# KiCad board DFTBoard.kicad_pcb (continued)
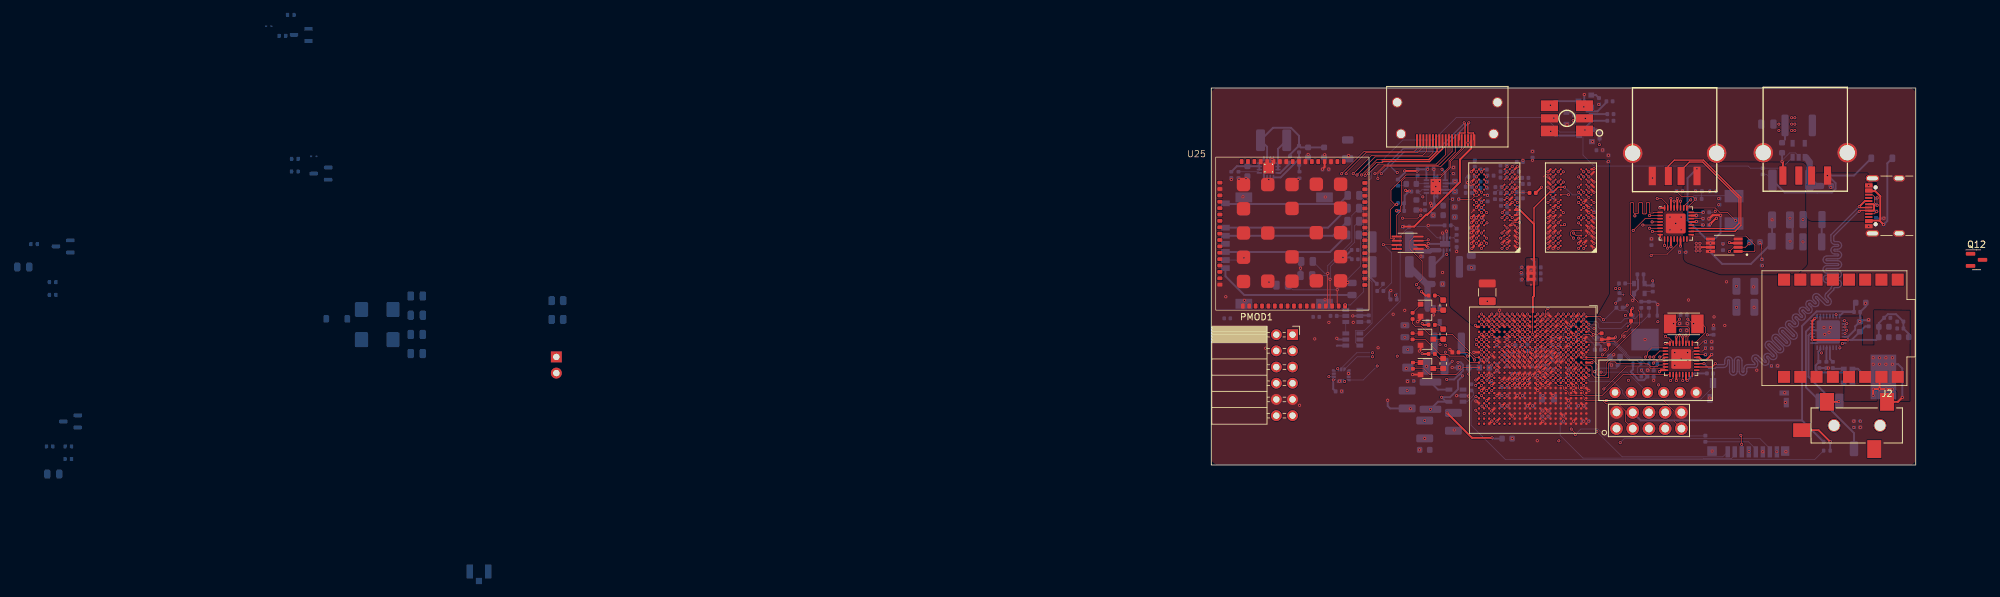
[diagram p0: board, top side]
## Routing (per net, layer and track width the routed paths; a pad name or vN(x,y) marks a point on that pad's centre or on a via; arc(x,y) is an arc through that point) (continued)
DDR3_DQ12: length 20.7
  TOP_GND w0.102: U16.A7 v1(54.31,33.97)
  TOP_GND w0.13: 51.51,23.27 v1(51.91,23.67)
  SIGNAL2 w0.102: v1(54.31,33.97) 54.56,33.97 54.86,34.27 55.16,34.27 55.21,34.32 55.21,34.57 55.06,34.72 54.84,34.72 54.5,34.38 54.12,34.38 53.91,34.17 53.91,33.57 52.49,32.15 52.49,28.2 52.49,28.16 52.5,28.11 52.53,28.08 52.56,28.04 52.6,28.02 52.64,28.01 52.69,28 53.01,28 53.05,27.99 53.1,27.98 53.13,27.96 53.17,27.92 53.19,27.89 53.2,27.84 53.21,27.8 53.2,27.76 53.19,27.71 53.17,27.68 53.13,27.64 53.1,27.62 53.05,27.61 53.01,27.6 52.3,27.6 52.26,27.6 52.22,27.58 52.18,27.56 52.15,27.53 52.13,27.49 52.12,27.45 52.11,27.41 52.11,27.39 52.12,27.35 52.13,27.31 52.15,27.27 52.18,27.24 52.22,27.22 52.26,27.2 52.3,27.2 53.01,27.2 53.05,27.19 53.1,27.18 53.13,27.16 53.17,27.12 53.19,27.09 53.2,27.04 53.21,27 53.2,26.96 53.19,26.91 53.17,26.88 53.13,26.84 53.1,26.82 53.05,26.81 53.01,26.8 52.3,26.8 52.26,26.8 52.22,26.78 52.18,26.76 52.15,26.73 52.13,26.69 52.12,26.65 52.11,26.61 52.11,26.59 52.12,26.55 52.13,26.51 52.15,26.47 52.18,26.44 52.22,26.42 52.26,26.4 52.3,26.4 52.67,26.4 52.71,26.4 52.75,26.38 52.79,26.36 52.82,26.33 52.84,26.29 52.85,26.25 52.86,26.21 52.86,26.19 52.85,26.15 52.84,26.11 52.82,26.07 52.79,26.04 52.75,26.02 52.71,26 52.67,26 52.3,26 52.26,26 52.22,25.98 52.18,25.96 52.15,25.93 52.13,25.89 52.12,25.85 52.11,25.81 52.11,25.79 52.12,25.75 52.13,25.71 52.15,25.67 52.18,25.64 52.22,25.62 52.26,25.6 52.3,25.6 52.49,25.6 52.49,25.59 52.67,25.59 52.71,25.58 52.75,25.57 52.79,25.55 52.82,25.52 52.84,25.48 52.85,25.44 52.86,25.4 52.86,25.37 52.85,25.33 52.84,25.29 52.82,25.26 52.79,25.23 52.75,25.21 52.71,25.19 52.63,25.18 52.59,25.17 52.56,25.15 52.53,25.12 52.5,25.08 52.49,25.04 52.49,25 52.15,24.66 52.15,24.29 51.91,24.05 v1(51.91,23.67)
DDR3_DQ13: length 20.5
  TOP_GND w0.102: U16.A2 v1(58.31,33.97)
  TOP_GND w0.13: U20.G2 v1(54.31,22.88)
  SIGNAL2 w0.102: v1(58.31,33.97) 57.96,33.97 57.91,33.92 57.91,33.58 55.81,31.48 55.81,28.41 55.81,28.37 55.82,28.34 55.84,28.32 55.86,28.3 55.89,28.28 55.92,28.27 55.95,28.26 55.99,28.26 56.02,28.26 56.05,28.25 56.08,28.23 56.1,28.21 56.12,28.19 56.13,28.16 56.13,28.12 56.13,28 56.13,27.97 56.12,27.94 56.1,27.92 56.08,27.9 56.05,27.88 56.02,27.87 55.99,27.86 55.95,27.86 55.92,27.86 55.89,27.85 55.86,27.83 55.84,27.81 55.82,27.79 55.81,27.76 55.81,27.72 55.81,27.6 55.81,27.57 55.82,27.54 55.84,27.52 55.86,27.5 55.89,27.48 55.92,27.47 55.95,27.46 55.99,27.46 56.02,27.46 56.05,27.45 56.08,27.43 56.1,27.41 56.12,27.39 56.13,27.36 56.13,27.32 56.13,27.2 56.13,27.17 56.12,27.14 56.1,27.12 56.08,27.1 56.05,27.08 56.02,27.07 55.99,27.06 55.95,27.06 55.92,27.06 55.89,27.05 55.86,27.03 55.84,27.01 55.82,26.99 55.81,26.96 55.81,26.92 55.81,26.72 54.71,25.62 54.71,21.89 54.48,21.67 54.12,21.67 53.91,21.46 53.91,21.09 53.71,20.88 53.32,20.88 53.12,21.09 53.12,21.46 53.32,21.67 53.68,21.67 53.9,21.89 53.9,22.25 54.31,22.66 v1(54.31,22.88)
DDR3_DQ14: length 19.5
  TOP_GND w0.102: U16.B8 v1(53.51,34.77)
  TOP_GND w0.13: 51.51,21.67 v1(51.91,22.07)
  SIGNAL2 w0.102: v1(53.51,34.77) 53.51,34.61 53.12,34.22 53.12,34.03 53.12,33.18 52.66,32.72 52.41,32.72 52.31,32.82 52.31,33.72 52.32,33.73 52.32,33.97 52.21,34.07 52.01,34.07 51.86,33.92 51.86,29.53 51.86,29.51 51.85,29.49 51.84,29.47 51.82,29.45 51.8,29.44 51.78,29.43 51.73,29.42 51.71,29.41 51.69,29.4 51.67,29.38 51.66,29.36 51.65,29.34 51.65,29.32 51.65,29.13 51.65,29.11 51.66,29.09 51.67,29.07 51.69,29.05 51.71,29.04 51.73,29.03 51.75,29.02 52.04,29.02 52.08,29.02 52.12,29.01 52.16,28.99 52.18,28.96 52.21,28.92 52.22,28.88 52.22,28.84 52.22,28.81 52.22,28.77 52.21,28.73 52.18,28.69 52.16,28.66 52.12,28.64 52.08,28.63 52.04,28.62 51.75,28.62 51.73,28.62 51.71,28.61 51.69,28.6 51.67,28.58 51.66,28.56 51.65,28.54 51.65,28.52 51.65,28.33 51.65,28.31 51.66,28.29 51.67,28.27 51.69,28.25 51.71,28.24 51.73,28.23 51.75,28.22 51.86,28.22 51.86,28.21 52.04,28.21 52.08,28.2 52.12,28.19 52.16,28.17 52.18,28.14 52.21,28.1 52.22,28.07 52.22,28.02 52.22,27.99 52.22,27.95 52.21,27.91 52.18,27.88 52.16,27.85 52.12,27.83 52.08,27.81 52,27.8 51.96,27.79 51.93,27.77 51.9,27.74 51.88,27.7 51.86,27.67 51.86,27.62 51.86,24.42 51.52,24.08 51.52,22.47 v1(51.91,22.07)
DDR3_DQ15: length 22.8
  TOP_GND w0.13: U16.A3 v1(57.51,33.97) ; 53.91,23.27 v1(54.31,23.67)
  SIGNAL2 w0.102: v1(57.51,33.97) 57.22,33.68 57.19,33.65 57.18,33.62 57.17,33.58 57.17,33.54 57.18,33.51 57.19,33.47 57.24,33.41 57.26,33.38 57.27,33.34 57.27,33.31 57.26,33.27 57.24,33.23 57.22,33.2 57.17,33.16 57.14,33.14 57.11,33.12 57.07,33.11 57.04,33.11 57,33.12 56.96,33.14 56.93,33.16 56.73,33.36 56.71,33.38 56.69,33.39 56.66,33.4 56.63,33.4 56.61,33.39 56.58,33.38 56.56,33.36 56.45,33.25 56.43,33.23 56.42,33.2 56.41,33.18 56.41,33.15 56.42,33.13 56.43,33.1 56.45,33.08 56.65,32.88 56.68,32.85 56.69,32.81 56.7,32.78 56.7,32.74 56.69,32.7 56.68,32.67 56.65,32.64 56.61,32.59 56.58,32.57 56.54,32.55 56.51,32.55 56.47,32.55 56.43,32.55 56.4,32.57 56.37,32.59 56.17,32.8 56.14,32.82 56.12,32.83 56.09,32.83 56.07,32.83 56.04,32.83 56.02,32.82 56,32.8 55.88,32.68 55.87,32.66 55.85,32.64 55.85,32.61 55.85,32.59 55.85,32.56 55.87,32.54 55.88,32.52 55.97,32.43 55.96,32.43 56.08,32.31 56.11,32.28 56.12,32.24 56.13,32.21 56.13,32.17 56.12,32.13 56.11,32.1 56.08,32.07 56.04,32.02 56.01,32 55.97,31.98 55.94,31.98 55.9,31.98 55.86,31.98 55.83,32 55.77,32.05 55.74,32.07 55.7,32.07 55.66,32.07 55.62,32.07 55.59,32.05 55.56,32.02 55.02,31.49 55.02,31.22 55.02,31.17 55,31.13 54.98,31.09 54.94,31.06 54.91,31.04 54.86,31.02 54.82,31.02 54.78,31.02 54.74,31.01 54.7,31 54.66,30.98 54.63,30.94 54.6,30.91 54.59,30.86 54.58,30.82 54.59,30.77 54.6,30.73 54.63,30.69 54.66,30.66 54.7,30.64 54.74,30.62 54.78,30.62 55.36,30.62 55.4,30.61 55.44,30.6 55.48,30.58 55.51,30.54 55.54,30.51 55.55,30.46 55.56,30.42 55.55,30.37 55.54,30.33 55.51,30.29 55.48,30.26 55.44,30.24 55.4,30.22 55.36,30.22 54.78,30.22 54.74,30.21 54.7,30.2 54.66,30.18 54.63,30.14 54.6,30.11 54.59,30.06 54.58,30.02 54.59,29.97 54.6,29.93 54.63,29.89 54.66,29.86 54.7,29.84 54.74,29.82 54.78,29.82 55.36,29.82 55.4,29.81 55.44,29.8 55.48,29.78 55.51,29.74 55.54,29.71 55.55,29.66 55.56,29.62 55.55,29.57 55.54,29.53 55.51,29.49 55.48,29.46 55.44,29.44 55.4,29.42 55.36,29.42 54.78,29.42 54.74,29.41 54.7,29.4 54.66,29.38 54.63,29.34 54.6,29.31 54.59,29.26 54.58,29.22 54.59,29.17 54.6,29.13 54.63,29.09 54.66,29.06 54.7,29.04 54.74,29.02 54.78,29.02 55.36,29.02 55.4,29.01 55.44,29 55.48,28.98 55.51,28.94 55.54,28.91 55.55,28.86 55.56,28.82 55.55,28.77 55.54,28.73 55.51,28.69 55.48,28.66 55.44,28.64 55.4,28.62 55.36,28.62 54.78,28.62 54.74,28.61 54.7,28.6 54.66,28.58 54.63,28.54 54.6,28.51 54.59,28.46 54.58,28.42 54.59,28.37 54.6,28.33 54.63,28.29 54.66,28.26 54.7,28.24 54.74,28.22 54.78,28.22 55.36,28.22 55.4,28.21 55.44,28.2 55.48,28.18 55.51,28.14 55.54,28.11 55.55,28.06 55.56,28.02 55.55,27.97 55.54,27.93 55.51,27.89 55.48,27.86 55.44,27.84 55.4,27.82 55.36,27.82 54.78,27.82 54.74,27.81 54.7,27.8 54.66,27.78 54.63,27.74 54.6,27.71 54.59,27.66 54.58,27.62 54.59,27.57 54.6,27.53 54.63,27.49 54.66,27.46 54.7,27.44 54.74,27.42 54.78,27.42 55.36,27.42 55.4,27.41 55.44,27.4 55.48,27.38 55.51,27.34 55.54,27.31 55.55,27.26 55.56,27.22 55.55,27.17 55.54,27.13 55.51,27.09 55.48,27.06 55.44,27.04 55.4,27.02 55.36,27.02 55.22,27.02 55.18,27.01 55.13,27 55.1,26.98 55.06,26.94 55.04,26.91 55.03,26.86 55.02,26.82 55.01,26.8 55.01,26.77 55.01,26.57 54.31,25.88 v1(54.31,23.67)
DDR3_DQ16: length 18.8
  TOP_GND w0.102: U15.E3 v1(46.31,37.17)
  TOP_GND w0.13: 46.71,21.67 v1(46.31,22.07)
  SIGNAL1 w0.102: v1(46.31,22.07) 46.71,22.47 46.71,23.97 46.96,24.22 46.96,24.32 46.96,24.36 46.97,24.39 46.99,24.41 47.01,24.43 47.04,24.45 47.07,24.46 47.1,24.46 47.12,24.46 47.15,24.47 47.18,24.48 47.21,24.5 47.23,24.52 47.24,24.54 47.25,24.57 47.26,24.6 47.26,24.72 47.25,24.76 47.24,24.79 47.23,24.81 47.21,24.83 47.18,24.85 47.15,24.86 47.12,24.86 46.75,24.86 46.72,24.87 46.69,24.88 46.66,24.9 46.64,24.92 46.63,24.94 46.62,24.97 46.61,25 46.61,25.12 46.62,25.16 46.63,25.19 46.64,25.21 46.66,25.23 46.69,25.25 46.72,25.26 46.75,25.26 47.12,25.26 47.15,25.27 47.18,25.28 47.21,25.3 47.23,25.32 47.24,25.34 47.25,25.37 47.26,25.41 47.26,25.52 47.25,25.56 47.24,25.59 47.23,25.61 47.21,25.63 47.18,25.65 47.15,25.66 47.12,25.66 46.75,25.66 46.72,25.67 46.69,25.68 46.66,25.7 46.64,25.72 46.63,25.74 46.62,25.77 46.61,25.8 46.61,25.92 46.62,25.96 46.63,25.99 46.64,26.01 46.66,26.03 46.69,26.05 46.72,26.06 46.75,26.06 46.82,26.06 46.85,26.07 46.88,26.08 46.91,26.1 46.93,26.12 46.95,26.14 46.96,26.17 46.96,26.2 46.96,33.52 47.02,33.58 47.02,36.46 v1(46.31,37.17)
DDR3_DQ17: length 19.5
  TOP_GND w0.102: U15.F7 v1(42.31,37.97)
  TOP_GND w0.13: 46.71,23.27 v1(46.31,23.67)
  SIGNAL1 w0.102: v1(42.31,37.97) 42.31,37.64 43.97,35.97 46.51,35.97 46.71,35.77 46.71,33.77 46.31,33.37 46.31,27.59 46.31,27.56 46.32,27.54 46.34,27.51 46.36,27.49 46.39,27.47 46.41,27.46 46.47,27.46 46.5,27.45 46.53,27.43 46.55,27.41 46.57,27.38 46.58,27.35 46.58,27.32 46.58,27.19 46.58,27.16 46.57,27.14 46.55,27.11 46.53,27.09 46.5,27.07 46.47,27.06 46.41,27.06 46.39,27.05 46.36,27.03 46.34,27.01 46.32,26.98 46.31,26.95 46.31,26.92 46.31,26.79 46.31,26.76 46.32,26.74 46.34,26.71 46.36,26.69 46.39,26.67 46.41,26.66 46.47,26.66 46.5,26.65 46.53,26.63 46.55,26.61 46.57,26.58 46.58,26.55 46.58,26.52 46.58,26.39 46.58,26.36 46.57,26.34 46.55,26.31 46.53,26.29 46.5,26.27 46.47,26.26 46.41,26.26 46.39,26.25 46.36,26.23 46.34,26.21 46.32,26.18 46.31,26.15 46.31,26.12 v1(46.31,23.67)
DDR3_DQ18: length 22
  TOP_GND w0.102: U15.F2 47.04,38.37 47.36,38.06 47.66,38.06 47.67,38.05 v1(48.24,38.05) ; 49.91,23.27 v1(49.51,23.67)
  SIGNAL2 w0.102: v1(49.51,23.67) 49.51,24.62 49.05,25.08 49.05,35.56 48.91,35.7 48.88,35.72 48.85,35.73 48.82,35.73 48.76,35.73 48.73,35.74 48.7,35.75 48.67,35.77 48.65,35.79 48.63,35.81 48.62,35.84 48.62,35.87 48.62,35.99 48.62,36.03 48.63,36.06 48.65,36.08 48.67,36.1 48.7,36.12 48.73,36.13 48.76,36.13 49.16,36.13 49.19,36.14 49.22,36.15 49.25,36.17 49.27,36.19 49.29,36.21 49.3,36.24 49.3,36.27 49.3,36.39 49.3,36.43 49.29,36.46 49.27,36.48 49.25,36.5 49.22,36.52 49.19,36.53 49.16,36.53 48.76,36.53 48.73,36.54 48.7,36.55 48.67,36.57 48.65,36.59 48.63,36.61 48.62,36.64 48.62,36.67 48.62,36.79 48.62,36.83 48.63,36.86 48.65,36.88 48.67,36.9 48.7,36.92 48.73,36.93 48.76,36.93 49.16,36.93 49.19,36.94 49.22,36.95 49.25,36.97 49.27,36.99 49.29,37.01 49.3,37.04 49.3,37.07 49.3,37.19 49.3,37.23 49.29,37.26 49.27,37.28 49.25,37.3 49.22,37.32 49.19,37.33 49.16,37.33 48.71,37.33 48.68,37.34 48.65,37.35 48.62,37.37 48.6,37.39 48.58,37.41 48.57,37.44 48.57,37.47 48.57,37.59 48.57,37.63 48.58,37.66 48.6,37.68 48.62,37.7 48.65,37.72 48.68,37.73 48.71,37.73 48.82,37.73 48.85,37.74 48.88,37.75 48.91,37.77 48.93,37.79 48.95,37.81 48.96,37.84 48.96,37.87 48.96,38.92 48.86,39.02 48.61,39.02 48.5,38.92 48.5,38.32 v1(48.24,38.05)
DDR3_DQ19: length 19
  TOP_GND w0.102: U15.F8 v1(41.51,37.97)
  TOP_GND w0.13: U20.T2 v1(46.31,22.88)
  SIGNAL2 w0.102: v1(41.51,37.97) 42.53,37.34 45.36,35.97 45.61,35.92 45.76,35.77 45.91,35.02 45.91,33.97 45.9,33.97 45.9,24.53 45.92,24.52 45.92,23.27 v1(46.31,22.88)
DDR3_DQ20: length 24.1
  TOP_GND w0.102: U15.H3 45.55,39.61
  TOP_GND w0.13: U20.M2 v1(49.51,22.88)
  SIGNAL2 w0.102: v1(49.51,22.88) 49.9,23.27 49.9,24.83 49.61,25.12 49.61,25.47 49.61,25.51 49.62,25.54 49.64,25.56 49.66,25.58 49.69,25.6 49.72,25.61 49.75,25.61 49.96,25.61 49.99,25.62 50.02,25.63 50.05,25.65 50.07,25.67 50.09,25.69 50.1,25.72 50.1,25.75 50.1,25.88 50.1,25.91 50.09,25.94 50.07,25.96 50.05,25.98 50.02,26 49.99,26.01 49.96,26.01 49.41,26.01 49.38,26.02 49.35,26.03 49.32,26.05 49.3,26.07 49.28,26.09 49.27,26.12 49.27,26.16 49.27,26.27 49.27,26.31 49.28,26.34 49.3,26.36 49.32,26.38 49.35,26.4 49.38,26.41 49.41,26.41 49.96,26.41 49.99,26.42 50.02,26.43 50.05,26.45 50.07,26.47 50.09,26.49 50.1,26.52 50.1,26.55 50.1,26.67 50.1,26.71 50.09,26.74 50.07,26.76 50.05,26.78 50.02,26.8 49.99,26.81 49.96,26.81 49.75,26.81 49.72,26.82 49.69,26.83 49.66,26.85 49.64,26.87 49.62,26.89 49.61,26.92 49.61,26.95 49.61,38.67 48.31,39.97 U15.H3 45.55,39.61 v1(45.55,39.57)
DDR3_DQ21: length 21.5
  TOP_GND w0.102: U15.H8 v1(42.31,39.57)
  TOP_GND w0.13: 47.51,23.27 v1(47.11,23.67)
  SIGNAL1 w0.102: v1(42.31,39.57) 42.71,39.17 42.71,37.84 42.97,37.58 43.35,37.58 43.39,37.62 46.46,37.62 47.51,36.57 47.51,36.14 47.52,36.13 47.52,24.08 v1(47.11,23.67)
DDR3_DQ22: length 23.6
  TOP_GND w0.102: v1(47.11,38.82) 46.76,39.17
  TOP_GND w0.13: 49.11,21.67 v1(48.71,22.07)
  SIGNAL2 w0.102: v1(47.11,38.82) 46.77,39.17 46.4,39.17 46.28,39.28 46.28,39.53 46.42,39.67 47.36,39.67 47.62,39.42 47.62,38.69 47.77,38.54 47.77,37.93 48.32,37.38 48.32,33.1 48.02,32.8 48.02,29.22 48.36,28.88 48.36,26.7 48.36,26.67 48.37,26.64 48.39,26.62 48.41,26.6 48.44,26.58 48.47,26.57 48.5,26.56 48.51,26.56 48.55,26.56 48.57,26.55 48.6,26.53 48.62,26.51 48.64,26.49 48.65,26.46 48.65,26.42 48.65,26.3 48.65,26.27 48.64,26.24 48.62,26.22 48.6,26.2 48.57,26.18 48.55,26.17 48.51,26.16 48.16,26.16 48.12,26.16 48.1,26.15 48.07,26.13 48.05,26.11 48.03,26.09 48.02,26.06 48.02,26.02 48.02,25.91 48.02,25.87 48.03,25.84 48.05,25.82 48.07,25.8 48.1,25.78 48.12,25.77 48.16,25.76 48.51,25.76 48.55,25.76 48.57,25.75 48.6,25.73 48.62,25.71 48.64,25.69 48.65,25.66 48.65,25.62 48.65,25.5 48.65,25.47 48.64,25.44 48.62,25.42 48.6,25.4 48.57,25.38 48.55,25.37 48.51,25.36 48.5,25.36 48.47,25.36 48.44,25.35 48.41,25.33 48.39,25.31 48.37,25.29 48.36,25.26 48.36,25.22 48.36,24.77 49.11,24.02 49.11,22.47 v1(48.71,22.07)
DDR3_DQ23: length 23
  TOP_GND w0.102: 42.72,39.97 v1(43.12,39.58)
  TOP_GND w0.13: 47.51,21.67 v1(47.11,22.07)
  SIGNAL2 w0.102: v1(47.11,22.07) 46.72,22.47 46.72,24.87 46.72,24.9 46.73,24.93 46.75,24.96 46.77,24.98 46.8,24.99 46.83,25 46.86,25.01 47.03,25.01 47.06,25.01 47.09,25.02 47.11,25.04 47.14,25.06 47.15,25.09 47.16,25.12 47.17,25.15 47.17,25.27 47.16,25.3 47.15,25.33 47.14,25.36 47.11,25.38 47.09,25.39 47.06,25.4 47.03,25.41 46.36,25.41 46.33,25.41 46.3,25.42 46.27,25.44 46.25,25.46 46.23,25.49 46.22,25.52 46.22,25.55 46.22,25.67 46.22,25.7 46.23,25.73 46.25,25.76 46.27,25.78 46.3,25.79 46.33,25.8 46.36,25.81 47.03,25.81 47.06,25.81 47.09,25.82 47.11,25.84 47.14,25.86 47.15,25.89 47.16,25.92 47.17,25.95 47.17,26.07 47.16,26.1 47.15,26.13 47.14,26.16 47.11,26.18 47.09,26.19 47.06,26.2 47.03,26.21 46.86,26.21 46.83,26.21 46.8,26.22 46.77,26.24 46.75,26.26 46.73,26.29 46.72,26.32 46.72,26.35 46.72,35.67 46.49,35.9 46.19,35.9 45.91,36.18 45.91,36.56 45.69,36.77 45.33,36.77 43.12,38.99 v1(43.12,39.58)
DDR3_DQ24: length 17.3
  TOP_GND w0.102: U15.D7 v1(42.31,36.37)
  TOP_GND w0.13: v1(42.31,22.08) 42.31,22.07 42.71,21.67
  SIGNAL4 w0.102: v1(42.31,22.08) 41.92,22.47 41.92,24.47 41.92,24.47 41.93,24.51 41.95,24.55 41.99,24.58 42.03,24.61 42.07,24.62 42.16,24.63 42.2,24.65 42.24,24.67 42.27,24.71 42.3,24.74 42.31,24.79 42.32,24.83 42.32,24.92 42.31,24.97 42.3,25.01 42.27,25.05 42.24,25.08 42.2,25.11 42.16,25.12 42.07,25.13 42.03,25.15 41.99,25.17 41.95,25.21 41.93,25.24 41.92,25.29 41.91,25.33 41.91,33.57 41.11,34.37 41.11,35.8 41.28,35.97 41.91,35.97 v1(42.31,36.37)
DDR3_DQ25: length 20.8
  TOP_GND w0.102: U15.C3 v1(45.31,35.57)
  TOP_GND w0.13: 43.51,23.27 v1(43.91,23.67)
  SIGNAL2 w0.102: v1(43.91,23.67) 43.49,24.1 43.49,24.12 42.6,25.01 42.6,27.94 42.71,28.05 42.71,29.27 42.71,29.31 42.72,29.34 42.74,29.36 42.76,29.38 42.79,29.4 42.82,29.41 42.85,29.41 43.06,29.41 43.1,29.42 43.12,29.43 43.15,29.45 43.17,29.47 43.19,29.49 43.2,29.52 43.2,29.55 43.2,29.67 43.2,29.71 43.19,29.74 43.17,29.76 43.15,29.78 43.12,29.8 43.1,29.81 43.06,29.81 42.36,29.81 42.32,29.82 42.3,29.83 42.27,29.85 42.25,29.87 42.23,29.89 42.22,29.92 42.22,29.95 42.22,30.07 42.22,30.11 42.23,30.14 42.25,30.16 42.27,30.18 42.3,30.2 42.32,30.21 42.36,30.21 43.06,30.21 43.1,30.22 43.12,30.23 43.15,30.25 43.17,30.27 43.19,30.29 43.2,30.32 43.2,30.35 43.2,30.47 43.2,30.51 43.19,30.54 43.17,30.56 43.15,30.58 43.12,30.6 43.1,30.61 43.06,30.61 42.36,30.61 42.32,30.62 42.3,30.63 42.27,30.65 42.25,30.67 42.23,30.69 42.22,30.72 42.22,30.75 42.22,30.88 42.22,30.91 42.23,30.94 42.25,30.96 42.27,30.98 42.3,31 42.32,31.01 42.36,31.01 43.06,31.01 43.1,31.02 43.12,31.03 43.15,31.05 43.17,31.07 43.19,31.09 43.2,31.12 43.2,31.16 43.2,31.27 43.2,31.31 43.19,31.34 43.17,31.36 43.15,31.38 43.12,31.4 43.1,31.41 43.06,31.41 42.36,31.41 42.32,31.42 42.3,31.43 42.27,31.45 42.25,31.47 42.23,31.49 42.22,31.52 42.22,31.55 42.22,31.67 42.22,31.71 42.23,31.74 42.25,31.76 42.27,31.78 42.3,31.8 42.32,31.81 42.36,31.81 43.06,31.81 43.1,31.82 43.12,31.83 43.15,31.85 43.17,31.87 43.19,31.89 43.2,31.92 43.2,31.95 43.2,32.07 43.2,32.11 43.19,32.14 43.17,32.16 43.15,32.18 43.12,32.2 43.1,32.21 43.06,32.21 42.85,32.21 42.82,32.22 42.79,32.23 42.76,32.25 42.74,32.27 42.72,32.29 42.71,32.32 42.71,32.35 42.71,32.97 v1(45.31,35.57)
DDR3_DQ26: length 16.8
  TOP_GND w0.102: U15.C8 v1(41.51,35.57)
  TOP_GND w0.13: 43.51,21.67 v1(43.11,22.07)
  SIGNAL2 w0.102: v1(43.11,22.07) 43.11,22.41 43.04,22.48 42.92,22.48 42.71,22.69 42.71,23.06 42.49,23.27 41.91,23.27 40.26,24.92 40.26,32.22 40.55,32.51 40.56,32.51 41.19,33.14 41.19,34.14 41.12,34.21 41.12,35.17 41.11,35.17 v1(41.51,35.57)
DDR3_DQ27: length 19.9
  TOP_GND w0.102: v1(46.3,35.51) 46.3,35.57 U15.C2
  TOP_GND w0.13: 44.31,23.27 v1(44.71,23.67)
  SIGNAL1 w0.102: v1(46.3,35.51) 45.97,35.17 45.21,35.17 44.71,34.67 44.71,32 44.71,31.97 44.72,31.94 44.74,31.92 44.76,31.9 44.79,31.88 44.82,31.87 44.85,31.86 45.05,31.86 45.08,31.86 45.11,31.85 45.14,31.83 45.16,31.81 45.18,31.79 45.19,31.76 45.19,31.72 45.19,31.6 45.19,31.57 45.18,31.54 45.16,31.52 45.14,31.5 45.11,31.48 45.08,31.47 45.05,31.46 44.37,31.46 44.34,31.46 44.31,31.45 44.28,31.43 44.26,31.41 44.24,31.39 44.23,31.36 44.23,31.32 44.23,31.2 44.23,31.17 44.24,31.14 44.26,31.12 44.28,31.1 44.31,31.08 44.34,31.07 44.37,31.06 45.05,31.06 45.08,31.06 45.11,31.05 45.14,31.03 45.16,31.01 45.18,30.99 45.19,30.96 45.19,30.92 45.19,30.8 45.19,30.77 45.18,30.74 45.16,30.72 45.14,30.7 45.11,30.68 45.08,30.67 45.05,30.66 44.37,30.66 44.34,30.66 44.31,30.65 44.28,30.63 44.26,30.61 44.24,30.59 44.23,30.56 44.23,30.52 44.23,30.41 44.23,30.37 44.24,30.34 44.26,30.32 44.28,30.3 44.31,30.28 44.34,30.27 44.37,30.26 45.05,30.26 45.08,30.26 45.11,30.25 45.14,30.23 45.16,30.21 45.18,30.19 45.19,30.16 45.19,30.12 45.19,30 45.19,29.97 45.18,29.94 45.16,29.92 45.14,29.9 45.11,29.88 45.08,29.87 45.05,29.86 44.37,29.86 44.34,29.86 44.31,29.85 44.28,29.83 44.26,29.81 44.24,29.79 44.23,29.76 44.23,29.72 44.23,29.6 44.23,29.57 44.24,29.54 44.26,29.52 44.28,29.5 44.31,29.48 44.34,29.47 44.37,29.46 45.05,29.46 45.08,29.46 45.11,29.45 45.14,29.43 45.16,29.41 45.18,29.39 45.19,29.36 45.19,29.32 45.19,29.2 45.19,29.17 45.18,29.14 45.16,29.12 45.14,29.1 45.11,29.08 45.08,29.07 45.05,29.06 44.85,29.06 44.82,29.06 44.79,29.05 44.76,29.03 44.74,29.01 44.72,28.99 44.71,28.96 44.71,28.92 v1(44.71,23.67)
DDR3_DQ28: length 21.4
  TOP_GND w0.102: U15.A7 v1(42.31,33.97)
  TOP_GND w0.13: 42.71,23.27 v1(42.31,23.67)
  SIGNAL2 w0.102: v1(42.31,23.67) 41.46,24.52 41.46,24.88 41.46,24.91 41.47,24.94 41.49,24.96 41.51,24.98 41.54,25 41.57,25.01 41.6,25.01 41.81,25.01 41.84,25.02 41.87,25.03 41.89,25.05 41.91,25.07 41.93,25.09 41.94,25.12 41.95,25.16 41.95,25.27 41.94,25.31 41.93,25.34 41.91,25.36 41.89,25.38 41.87,25.4 41.84,25.41 41.81,25.41 41.11,25.41 41.08,25.42 41.05,25.43 41.03,25.45 41.01,25.47 40.99,25.49 40.98,25.52 40.97,25.55 40.97,25.67 40.98,25.71 40.99,25.74 41.01,25.76 41.03,25.78 41.05,25.8 41.08,25.81 41.11,25.81 41.81,25.81 41.84,25.82 41.87,25.83 41.89,25.85 41.91,25.87 41.93,25.89 41.94,25.92 41.95,25.95 41.95,26.07 41.94,26.11 41.93,26.14 41.91,26.16 41.89,26.18 41.87,26.2 41.84,26.21 41.81,26.21 41.11,26.21 41.08,26.22 41.05,26.23 41.03,26.25 41.01,26.27 40.99,26.29 40.98,26.32 40.97,26.35 40.97,26.47 40.98,26.51 40.99,26.54 41.01,26.56 41.03,26.58 41.05,26.6 41.08,26.61 41.11,26.61 41.81,26.61 41.84,26.62 41.87,26.63 41.89,26.65 41.91,26.67 41.93,26.69 41.94,26.72 41.95,26.75 41.95,26.88 41.94,26.91 41.93,26.94 41.91,26.96 41.89,26.98 41.87,27 41.84,27.01 41.81,27.01 41.11,27.01 41.08,27.02 41.05,27.03 41.03,27.05 41.01,27.07 40.99,27.09 40.98,27.12 40.97,27.16 40.97,27.27 40.98,27.31 40.99,27.34 41.01,27.36 41.03,27.38 41.05,27.4 41.08,27.41 41.11,27.41 41.81,27.41 41.84,27.42 41.87,27.43 41.89,27.45 41.91,27.47 41.93,27.49 41.94,27.52 41.95,27.55 41.95,27.67 41.94,27.71 41.93,27.74 41.91,27.76 41.89,27.78 41.87,27.8 41.84,27.81 41.81,27.81 41.11,27.81 41.08,27.82 41.05,27.83 41.03,27.85 41.01,27.87 40.99,27.89 40.98,27.92 40.97,27.95 40.97,28.07 40.98,28.11 40.99,28.14 41.01,28.16 41.03,28.18 41.05,28.2 41.08,28.21 41.11,28.21 41.81,28.21 41.84,28.22 41.87,28.23 41.89,28.25 41.91,28.27 41.93,28.29 41.94,28.32 41.95,28.35 41.95,28.47 41.94,28.51 41.93,28.54 41.91,28.56 41.89,28.58 41.87,28.6 41.84,28.61 41.81,28.61 41.11,28.61 41.08,28.62 41.05,28.63 41.03,28.65 41.01,28.67 40.99,28.69 40.98,28.72 40.97,28.75 40.97,28.88 40.98,28.91 40.99,28.94 41.01,28.96 41.03,28.98 41.05,29 41.08,29.01 41.11,29.01 41.81,29.01 41.84,29.02 41.87,29.03 41.89,29.05 41.91,29.07 41.93,29.09 41.94,29.12 41.95,29.16 41.95,29.27 41.94,29.31 41.93,29.34 41.91,29.36 41.89,29.38 41.87,29.4 41.84,29.41 41.81,29.41 41.6,29.41 41.57,29.42 41.54,29.43 41.51,29.45 41.49,29.47 41.47,29.49 41.46,29.52 41.46,29.55 41.46,33.12 v1(42.31,33.97)
DDR3_DQ29: length 20.7
  TOP_GND w0.102: U15.A2 v1(46.31,33.97)
  TOP_GND w0.13: 45.91,23.27 v1(45.51,23.67)
  SIGNAL1 w0.102: v1(45.51,23.67) 45.51,24.62 45.51,24.66 45.52,24.69 45.54,24.71 45.56,24.73 45.59,24.75 45.62,24.76 45.65,24.76 45.84,24.76 45.87,24.77 45.9,24.78 45.93,24.8 45.95,24.82 45.97,24.84 45.98,24.87 45.98,24.91 45.98,25.02 45.98,25.06 45.97,25.09 45.95,25.11 45.93,25.13 45.9,25.15 45.87,25.16 45.84,25.16 45.18,25.16 45.15,25.17 45.12,25.18 45.09,25.2 45.07,25.22 45.05,25.24 45.04,25.27 45.04,25.3 45.04,25.42 45.04,25.46 45.05,25.49 45.07,25.51 45.09,25.53 45.12,25.55 45.15,25.56 45.18,25.56 45.84,25.56 45.87,25.57 45.9,25.58 45.93,25.6 45.95,25.62 45.97,25.64 45.98,25.67 45.98,25.7 45.98,25.82 45.98,25.86 45.97,25.89 45.95,25.91 45.93,25.93 45.9,25.95 45.87,25.96 45.84,25.96 45.18,25.96 45.15,25.97 45.12,25.98 45.09,26 45.07,26.02 45.05,26.04 45.04,26.07 45.04,26.1 45.04,26.22 45.04,26.26 45.05,26.29 45.07,26.31 45.09,26.33 45.12,26.35 45.15,26.36 45.18,26.36 45.84,26.36 45.87,26.37 45.9,26.38 45.93,26.4 45.95,26.42 45.97,26.44 45.98,26.47 45.98,26.5 45.98,26.62 45.98,26.66 45.97,26.69 45.95,26.71 45.93,26.73 45.9,26.75 45.87,26.76 45.84,26.76 45.18,26.76 45.15,26.77 45.12,26.78 45.09,26.8 45.07,26.82 45.05,26.84 45.04,26.87 45.04,26.91 45.04,27.02 45.04,27.06 45.05,27.09 45.07,27.11 45.09,27.13 45.12,27.15 45.15,27.16 45.18,27.16 45.84,27.16 45.87,27.17 45.9,27.18 45.93,27.2 45.95,27.22 45.97,27.24 45.98,27.27 45.98,27.3 45.98,27.42 45.98,27.46 45.97,27.49 45.95,27.51 45.93,27.53 45.9,27.55 45.87,27.56 45.84,27.56 45.18,27.56 45.15,27.57 45.12,27.58 45.09,27.6 45.07,27.62 45.05,27.64 45.04,27.67 45.04,27.7 45.04,27.82 45.04,27.86 45.05,27.89 45.07,27.91 45.09,27.93 45.12,27.95 45.15,27.96 45.18,27.96 45.84,27.96 45.87,27.97 45.9,27.98 45.93,28 45.95,28.02 45.97,28.04 45.98,28.07 45.98,28.1 45.98,28.22 45.98,28.26 45.97,28.29 45.95,28.31 45.93,28.33 45.9,28.35 45.87,28.36 45.84,28.36 45.18,28.36 45.15,28.37 45.12,28.38 45.09,28.4 45.07,28.42 45.05,28.44 45.04,28.47 45.04,28.5 45.04,28.62 45.04,28.66 45.05,28.69 45.07,28.71 45.09,28.73 45.12,28.75 45.15,28.76 45.18,28.76 45.84,28.76 45.87,28.77 45.9,28.78 45.93,28.8 45.95,28.82 45.97,28.84 45.98,28.87 45.98,28.91 45.98,29.02 45.98,29.06 45.97,29.09 45.95,29.11 45.93,29.13 45.9,29.15 45.87,29.16 45.84,29.16 45.65,29.16 45.62,29.17 45.59,29.18 45.56,29.2 45.54,29.22 45.52,29.24 45.51,29.27 45.51,29.3 45.51,33.17 v1(46.31,33.97)
DDR3_DQ30: length 16.8
  TOP_GND w0.102: U15.B8 v1(41.51,34.77)
  TOP_GND w0.13: 44.31,21.67 v1(43.91,22.07)
  SIGNAL1 w0.102: v1(41.51,34.77) 41.51,33.3 42.03,32.77 42.03,31.65 42.03,31.61 42.02,31.57 41.99,31.53 41.96,31.5 41.93,31.48 41.88,31.46 41.8,31.45 41.76,31.44 41.72,31.41 41.69,31.38 41.67,31.35 41.65,31.31 41.65,31.26 41.65,31.25 41.65,31.21 41.67,31.17 41.69,31.13 41.72,31.1 41.76,31.08 41.8,31.06 41.84,31.06 42.03,31.06 42.03,31.05 42.23,31.05 42.27,31.05 42.31,31.03 42.35,31.01 42.38,30.98 42.4,30.94 42.42,30.9 42.42,30.86 42.42,30.84 42.42,30.8 42.4,30.76 42.38,30.72 42.35,30.69 42.31,30.67 42.27,30.65 42.23,30.65 41.84,30.65 41.8,30.65 41.76,30.63 41.72,30.61 41.69,30.58 41.67,30.54 41.65,30.5 41.65,30.46 41.65,30.44 41.65,30.4 41.67,30.36 41.69,30.32 41.72,30.29 41.76,30.27 41.8,30.25 41.88,30.25 41.93,30.23 41.96,30.21 41.99,30.18 42.02,30.14 42.03,30.1 42.03,30.06 42.03,24.82 42.71,24.15 42.71,22.69 42.93,22.47 43.51,22.47 v1(43.91,22.07)
DDR3_DQ31: length 21.1
  TOP_GND w0.102: U15.A3 v1(45.51,33.97)
  TOP_GND w0.13: U20.U2 v1(45.51,22.88)
  SIGNAL2 w0.102: v1(45.51,33.97) 44.31,32.77 44.31,28.2 44.31,28.17 44.32,28.14 44.34,28.12 44.36,28.1 44.39,28.08 44.42,28.07 44.45,28.06 44.65,28.06 44.68,28.06 44.71,28.05 44.74,28.03 44.76,28.01 44.78,27.99 44.79,27.96 44.79,27.92 44.79,27.8 44.79,27.77 44.78,27.74 44.76,27.72 44.74,27.7 44.71,27.68 44.68,27.67 44.65,27.66 43.97,27.66 43.94,27.66 43.91,27.65 43.88,27.63 43.86,27.61 43.84,27.59 43.83,27.56 43.83,27.52 43.83,27.41 43.83,27.37 43.84,27.34 43.86,27.32 43.88,27.3 43.91,27.28 43.94,27.27 43.97,27.26 44.65,27.26 44.68,27.26 44.71,27.25 44.74,27.23 44.76,27.21 44.78,27.19 44.79,27.16 44.79,27.12 44.79,27 44.79,26.97 44.78,26.94 44.76,26.92 44.74,26.9 44.71,26.88 44.68,26.87 44.65,26.86 43.97,26.86 43.94,26.86 43.91,26.85 43.88,26.83 43.86,26.81 43.84,26.79 43.83,26.76 43.83,26.72 43.83,26.6 43.83,26.57 43.84,26.54 43.86,26.52 43.88,26.5 43.91,26.48 43.94,26.47 43.97,26.46 44.65,26.46 44.68,26.46 44.71,26.45 44.74,26.43 44.76,26.41 44.78,26.39 44.79,26.36 44.79,26.32 44.79,26.2 44.79,26.17 44.78,26.14 44.76,26.12 44.74,26.1 44.71,26.08 44.68,26.07 44.65,26.06 43.97,26.06 43.94,26.06 43.91,26.05 43.88,26.03 43.86,26.01 43.84,25.99 43.83,25.96 43.83,25.92 43.83,25.8 43.83,25.77 43.84,25.74 43.86,25.72 43.88,25.7 43.91,25.68 43.94,25.67 43.97,25.66 44.65,25.66 44.68,25.66 44.71,25.65 44.74,25.63 44.76,25.61 44.78,25.59 44.79,25.56 44.79,25.52 44.79,25.41 44.79,25.37 44.78,25.34 44.76,25.32 44.74,25.3 44.71,25.28 44.68,25.27 44.65,25.26 43.97,25.26 43.94,25.26 43.91,25.25 43.88,25.23 43.86,25.21 43.84,25.19 43.83,25.16 43.83,25.12 43.83,25 43.83,24.97 43.84,24.94 43.86,24.92 43.88,24.9 43.91,24.88 43.94,24.87 43.97,24.86 44.65,24.86 44.68,24.86 44.71,24.85 44.74,24.83 44.76,24.81 44.78,24.79 44.79,24.76 44.79,24.72 44.79,24.6 44.79,24.57 44.78,24.54 44.76,24.52 44.74,24.5 44.71,24.48 44.68,24.47 44.65,24.46 44.45,24.46 44.42,24.46 44.39,24.45 44.36,24.43 44.34,24.41 44.32,24.39 44.31,24.36 44.31,24.32 44.31,23.42 44.46,23.27 45.11,23.27 v1(45.51,22.88)